# KiCad board Diom-35SP_PCB.kicad_pcb

Outline 139.93 x 113.12 mm; copper layers: Top, Bottom. Coordinates in mm from the lower left corner of the outline.
Outline path: 0,83.48 arc(0.56,85.11) 2.1,85.88 21.07,87.72 arc(22.62,88.55) 23.45,90.1 23.45,101.22 arc(24.15,102.9) 25.83,103.6 40.12,103.6 arc(41.8,104.3) 42.5,105.98 42.5,110.74 arc(43.2,112.43) 44.88,113.12 60.63,113.12 arc(62.31,112.43) 63.01,110.74 63.01,109.95 arc(63.72,108.26) 65.41,107.57 79.8,107.57 arc(81.37,106.99) 82.19,105.53 arc(83.03,104.14) 84.57,103.6 98.85,103.6 arc(100.42,103.02) 101.24,101.57 arc(102.08,100.17) 103.62,99.63 126.29,99.63 arc(127.97,98.93) 128.67,97.25 128.67,64.42 arc(127.97,62.73) 126.29,62.04 117.83,62.04 arc(116.13,61.33) 115.45,59.62 115.42,47.08 arc(115.89,45.6) 117.2,44.78 119.5,44.18 arc(120.63,43.3) 120.8,41.88 119.81,38.5 arc(119.87,36.86) 121,35.68 138.21,27.34 arc(139.72,25.8) 139.71,23.64 129.8,2.18 arc(128.14,0.27) 125.61,0.27 110.92,7.3 arc(110.36,8.31) 110.54,9.46 112.3,13.18 arc(112.4,14.71) 111.23,15.7 95,20.08 arc(94.11,20.57) 93.5,21.38 arc(92.74,22.29) 91.6,22.64 75.04,22.64 arc(73.48,23.21) 72.66,24.67 72.66,46.8 arc(71.84,48.25) 70.28,48.83 63.93,48.83 arc(62.25,49.53) 61.55,51.21 61.55,52 arc(60.85,53.69) 59.17,54.39 46.4,54.38 arc(44.72,53.68) 44.02,52 44,47.24 arc(43.31,45.56) 41.62,44.86 26.62,44.86 arc(24.94,44.16) 24.24,42.48 25.04,31.37 arc(24.34,29.68) 22.65,28.99 6.9,27.68 arc(5.22,28.38) 4.52,30.06 0,83.48
Stack: Top 0.035mm / dielectric 1.51mm FR4 er 4.5 / Bottom 0.035mm

## Placement (name value [footprint] x y rotation side)
H1  MountingHole  [MountingHole_2.2mm_M2_DIN965]  2.9 83.28 0 top
H2  MountingHole  [MountingHole_2.2mm_M2_DIN965]  7.3 30.68 0 top
H3  MountingHole  [MountingHole_2.2mm_M2_DIN965]  136.6 24.88 0 top
H4  MountingHole  [MountingHole_2.2mm_M2_DIN965]  126.5 3.18 0 top
H5  MountingHole  [MountingHole_2.2mm_M2_DIN965]  60 109.98 0 top
H6  MountingHole  [MountingHole_2.2mm_M2_DIN965]  41.1 47.88 0 top
H7  MountingHole  [MountingHole_2.2mm_M2_DIN965]  103.04 97.22 0 top
H8  MountingHole  [MountingHole_2.2mm_M2_DIN965]  103.04 64.45 0 top
H9  MountingHole  [MountingHole_2.2mm_M2_DIN965]  126.29 97.22 0 top
H10  MountingHole  [MountingHole_2.2mm_M2_DIN965]  126.29 64.45 0 top
H11  MountingHole  [MountingHole_2.2mm_M2_DIN965]  113.14 47.24 0 top
H12  MountingHole  [MountingHole_2.2mm_M2_DIN965]  104.31 20.76 0 top
H13  MountingHole  [MountingHole_2.2mm_M2_DIN965]  62.34 80.58 0 top
H14  MountingHole  [MountingHole_2.2mm_M2_DIN965]  75.99 25.84 0 top
H15  MountingHole  [MountingHole_2.2mm_M2_DIN965]  45.64 109.92 0 top
H17  MountingHole  [MountingHole_2.2mm_M2_DIN965]  26.46 100.52 0 top
H18  MountingHole  [MountingHole_2.2mm_M2_DIN965]  21.89 32.06 0 top
J1  Conn_01x02_Male  [JST_EH_S2B-EH_1x02_P2.50mm_Horizontal]  105.22 53.03 0 top
MX1  MX-NoLED  [Kailh-V1V2-1U-doubleSided-noSilk]  10.75 76.61 5 top
MX2  MX-NoLED  [Kailh-V1V2-1U-doubleSided-noSilk]  33.77 93.28 0 top
MX3  MX-NoLED  [Kailh-V1V2-1U-doubleSided-noSilk]  52.82 102.8 0 top
MX4  MX-NoLED  [Kailh-V1V2-1U-doubleSided-noSilk]  71.87 97.25 0 top
MX5  MX-NoLED  [Kailh-V1V2-1U-doubleSided-noSilk]  90.92 93.28 0 top
MX6  MX-NoLED  [Kailh-V1V2-1U-doubleSided-noSilk]  12.34 57.56 5 top
MX7  MX-NoLED  [Kailh-V1V2-1U-doubleSided-noSilk]  33.77 74.23 0 top
MX8  MX-NoLED  [Kailh-V1V2-1U-doubleSided-noSilk]  52.82 83.75 0 top
MX9  MX-NoLED  [Kailh-V1V2-1U-doubleSided-noSilk]  71.87 78.2 0 top
MX10  MX-NoLED  [Kailh-V1V2-1U-doubleSided-noSilk]  90.92 74.23 0 top
MX11  MX-NoLED  [Kailh-V1V2-1U-doubleSided-noSilk]  13.92 38.51 5 top
MX12  MX-NoLED  [Kailh-V1V2-1U-doubleSided-noSilk]  33.77 55.18 0 top
MX13  MX-NoLED  [Kailh-V1V2-1U-doubleSided-noSilk]  52.82 64.7 0 top
MX14  MX-NoLED  [Kailh-V1V2-1U-doubleSided-noSilk]  71.87 59.15 0 top
MX15  MX-NoLED  [Kailh-V1V2-1U-doubleSided-noSilk]  90.92 55.18 0 top
MX16  MX-NoLED  [Kailh-V1V2-1U-doubleSided-noSilk]  83.14 32.95 0 top
MX17  MX-NoLED  [Kailh-V1V2-1.5U-doubleSided-noSilk]  107.59 32.16 75 top
MX18  MX-NoLED  [Kailh-V1V2-1.5U-doubleSided-noSilk]  125.05 17.08 65 top
SW1  SHOU_HAN_MSK12C02-HB  [SHOU HAN MSK12C02-HB]  113.84 55.18 270 bottom
U1  -  [nice_nano]  114.65 80.97 270 top

## Footprints (pads in the part's own frame, mm; a bottom-side part is the same pattern mirrored in y, then rotated)
JST_EH_S2B-EH_1x02_P2.50mm_Horizontal
  rrect 1.7x2 hole 1: 1(0,0)
  oval 1.7x2 hole 1: 2(2.5,0)
Kailh-V1V2-1.5U-doubleSided-noSilk
  round 1.9 hole 1.9 unplated: (-5.5,0) (5.5,0)
  round 2.6 hole 1.6: (-5,-5.15) (5,-5.15)
  round 5.05 hole 5.05 unplated: (0,0)
  round 2.2 hole 1.2: 1(0,5.9) 1(0,5.9) 2(-5,3.8) 2(5,3.8)
Kailh-V1V2-1U-doubleSided-noSilk
  round 1.9 hole 1.9 unplated: (-5.5,0) (5.5,0)
  round 2.6 hole 1.6: (-5,-5.15) (5,-5.15)
  round 5.05 hole 5.05 unplated: (0,0)
  round 2.2 hole 1.2: 1(0,5.9) 1(0,5.9) 2(-5,3.8) 2(5,3.8)
MountingHole_2.2mm_M2_DIN965
  round 2.2 hole 2.2 unplated: (0,0)
nice_nano
  round 1.753 hole 1.092: 1(-13.97,-7.62) 2(-11.43,-7.62) 3(-8.89,-7.62) 4(-6.35,-7.62) 5(-3.81,-7.62) 6(-1.27,-7.62) 7(1.27,-7.62) 8(3.81,-7.62) 9(6.35,-7.62) 10(8.89,-7.62) 11(11.43,-7.62) 12(13.97,-7.62) 13(13.97,7.62) 14(11.43,7.62) 15(8.89,7.62) 16(6.35,7.62) 17(3.81,7.62) 18(1.27,7.62) 19(-1.27,7.62) 20(-3.81,7.62) 21(-6.35,7.62) 22(-8.89,7.62) 23(-11.43,7.62) 24(-13.97,7.62) 30(-16.51,-7.62) 31(8.89,-5.08) 32(8.89,-2.54) 33(8.89,0) 34(-16.51,7.62)
SHOU HAN MSK12C02-HB
  round 0.85 hole 0.85 unplated: (-1.5,0) (1.5,0)
  rrect 1x1.5 smd: 1(-2.3,2.1) 2(1,2.1) 3(2.45,2.1)
  rrect 1.7x1 smd: 4(-4,-1) 4(-4,1) 4(3.9,-1) 4(3.9,1)

## Nets
GND: MX1.2 MX2.2 MX3.2 MX4.2 MX5.2 MX6.2 MX7.2 MX8.2 MX9.2 MX10.2 MX11.2 MX12.2 MX13.2 MX14.2 MX15.2 MX16.2 MX17.2 MX18.2 SW1.4 U1.3 U1.4 U1.23
VCC: U1.21
B+: SW1.2 U1.34
B-: J1.1 U1.30
MX1: MX1.1 U1.18
MX2: MX2.1 U1.6
MX3: MX3.1 U1.1
MX4: MX4.1 U1.2
MX5: MX5.1 U1.5
MX6: MX6.1 U1.17
MX7: MX7.1 U1.10
MX8: MX8.1 U1.7
MX9: MX9.1 U1.8
MX10: MX10.1 U1.9
MX11: MX11.1 U1.15
MX12: MX12.1 U1.16
MX13: MX13.1 U1.11
MX14: MX14.1 U1.12
MX15: MX15.1 U1.19
MX16: MX16.1 U1.14
MX17: MX17.1 U1.13
MX18: MX18.1 U1.20
Net-(J1-Pad2): J1.2 SW1.3

Pads without a net: SW1 1; U1 22 24 31 32 33

## Via types
v1: diameter 0.8, hole 0.4, Top to Bottom, 2 vias

## Routing (per net, layer and track width the routed paths; a pad name or vN(x,y) marks a point on that pad's centre or on a via; arc(x,y) is an arc through that point)
B+: length 49.1
  Top w0.508: U1.34 119.43,94.64 v1(119.43,80.71)
  Bottom w0.508: v1(119.43,80.71) 119.41,80.69 119.41,70.42 109.97,60.97 109.97,55.95 SW1.2
B-: length 57.8
  Top w0.508: U1.30 114.21,97.48 117.14,94.55 v1(117.14,80.71)
  Bottom w0.508: v1(117.14,80.71) 117.13,80.69 117.13,70.67 105.22,58.77 J1.1
MX1: length 148.6
  Top w0.381: U1.18 118.92,76.35 118.92,71.74 101.01,53.84 101.01,50.19 98.64,47.81 76.13,47.81 72.32,51.62 66.35,51.62 60.51,57.46 44.59,57.46 36.56,65.5 27.42,65.5 19.48,73.44 19.48,80.58 17.57,82.49 MX1.1
MX2: length 80.3
  Top w0.381: MX2.1 40.57,99.18 46.47,93.28 52.02,93.28 54.88,90.42 67.56,90.42 67.6,90.46 71.61,86.45 102.83,86.45 U1.6
MX3: length 61
  Top w0.381: U1.1 105.75,93.66 102.79,93.66 94.03,102.42 83.36,102.42 80.66,105.12 56.4,105.12 MX3.1
MX4: length 39.6
  Top w0.381: U1.2 102.65,92.4 97.4,97.66 97.4,97.69 93.43,101.66 83.31,101.66 81.83,103.15 MX4.1
MX5: length 22.1
  Top w0.381: MX5.1 95.23,94.87 96.95,94.87 U1.5
MX6: length 133.5
  Top w0.381: MX6.1 37.81,63.44 44.42,56.83 60.34,56.83 66.12,51.05 72.08,51.05 76.02,47.11 98.74,47.11 101.58,49.95 101.58,53.6 119.51,71.53 119.51,74.4 U1.17
MX7: length 77.3
  Top w0.381: U1.10 106.21,71.26 55.78,71.26 52.02,75.02 46.47,75.02 41.36,80.13 MX7.1
MX8: length 58.3
  Top w0.381: 52.82,89.65 67.37,89.65 71.44,85.58 101.16,85.58 U1.7
MX9: length 38
  Top w0.381: MX9.1 95.34,84.1 102.27,77.16 U1.8
MX10: length 18.4
  Top w0.381: U1.9 102.22,74.62 96.72,80.13 MX10.1
MX11: length 130.8
  Top w0.381: MX11.1 15.56,46.54 32.6,46.54 41.61,55.56 59.99,55.56 65.64,49.91 71.61,49.91 75.74,45.78 99.03,45.78 102.73,49.48 102.73,53.13 120.65,71.05 120.65,71.41 121.32,72.08 U1.15
MX12: length 109.1
  Top w0.381: MX12.1 39.36,61.08 44.24,56.19 60.16,56.19 65.88,50.48 71.85,50.48 75.91,46.42 98.85,46.42 102.16,49.72 102.16,53.36 120.08,71.29 120.08,72.43 U1.16 122.26,74.62
MX13: length 56.7
  Top w0.381: MX13.1 58.82,70.6 62.34,67.09 98.06,67.09 100.52,69.54 U1.11
MX14: length 36
  Top w0.381: U1.12 100.52,67 98.57,65.05 MX14.1
MX15: length 43.8
  Top w0.381: MX15.1 107.42,61.08 118.35,72.01 118.35,78.32 U1.19
MX16: length 56.1
  Top w0.381: MX16.1 96.5,38.85 109.19,51.55 109.19,58.79 119.95,69.54 U1.14
MX17: length 44.1
  Top w0.381: U1.13 118.22,67 109.77,58.55 109.77,51.31 101.89,43.43 MX17.1
MX18: length 78.8
  Top w0.381: U1.20 124,83.05 124,66.28 122.7,64.98 117,64.98 110.34,58.32 110.34,41.65 119.7,32.28 MX18.1
Net-(J1-Pad2): length 4.1
  Bottom w0.508: J1.2 108.02,52.73 SW1.3

## Copper pours and planes (outline as drawn; the poured copper is in the pictures)
GND on Top, Bottom: 149.65,-6.73 -9.1,-6.73 -9.1,120.27 149.65,120.27
